# KiCad board k410t-devboard.kicad_pcb (continued)
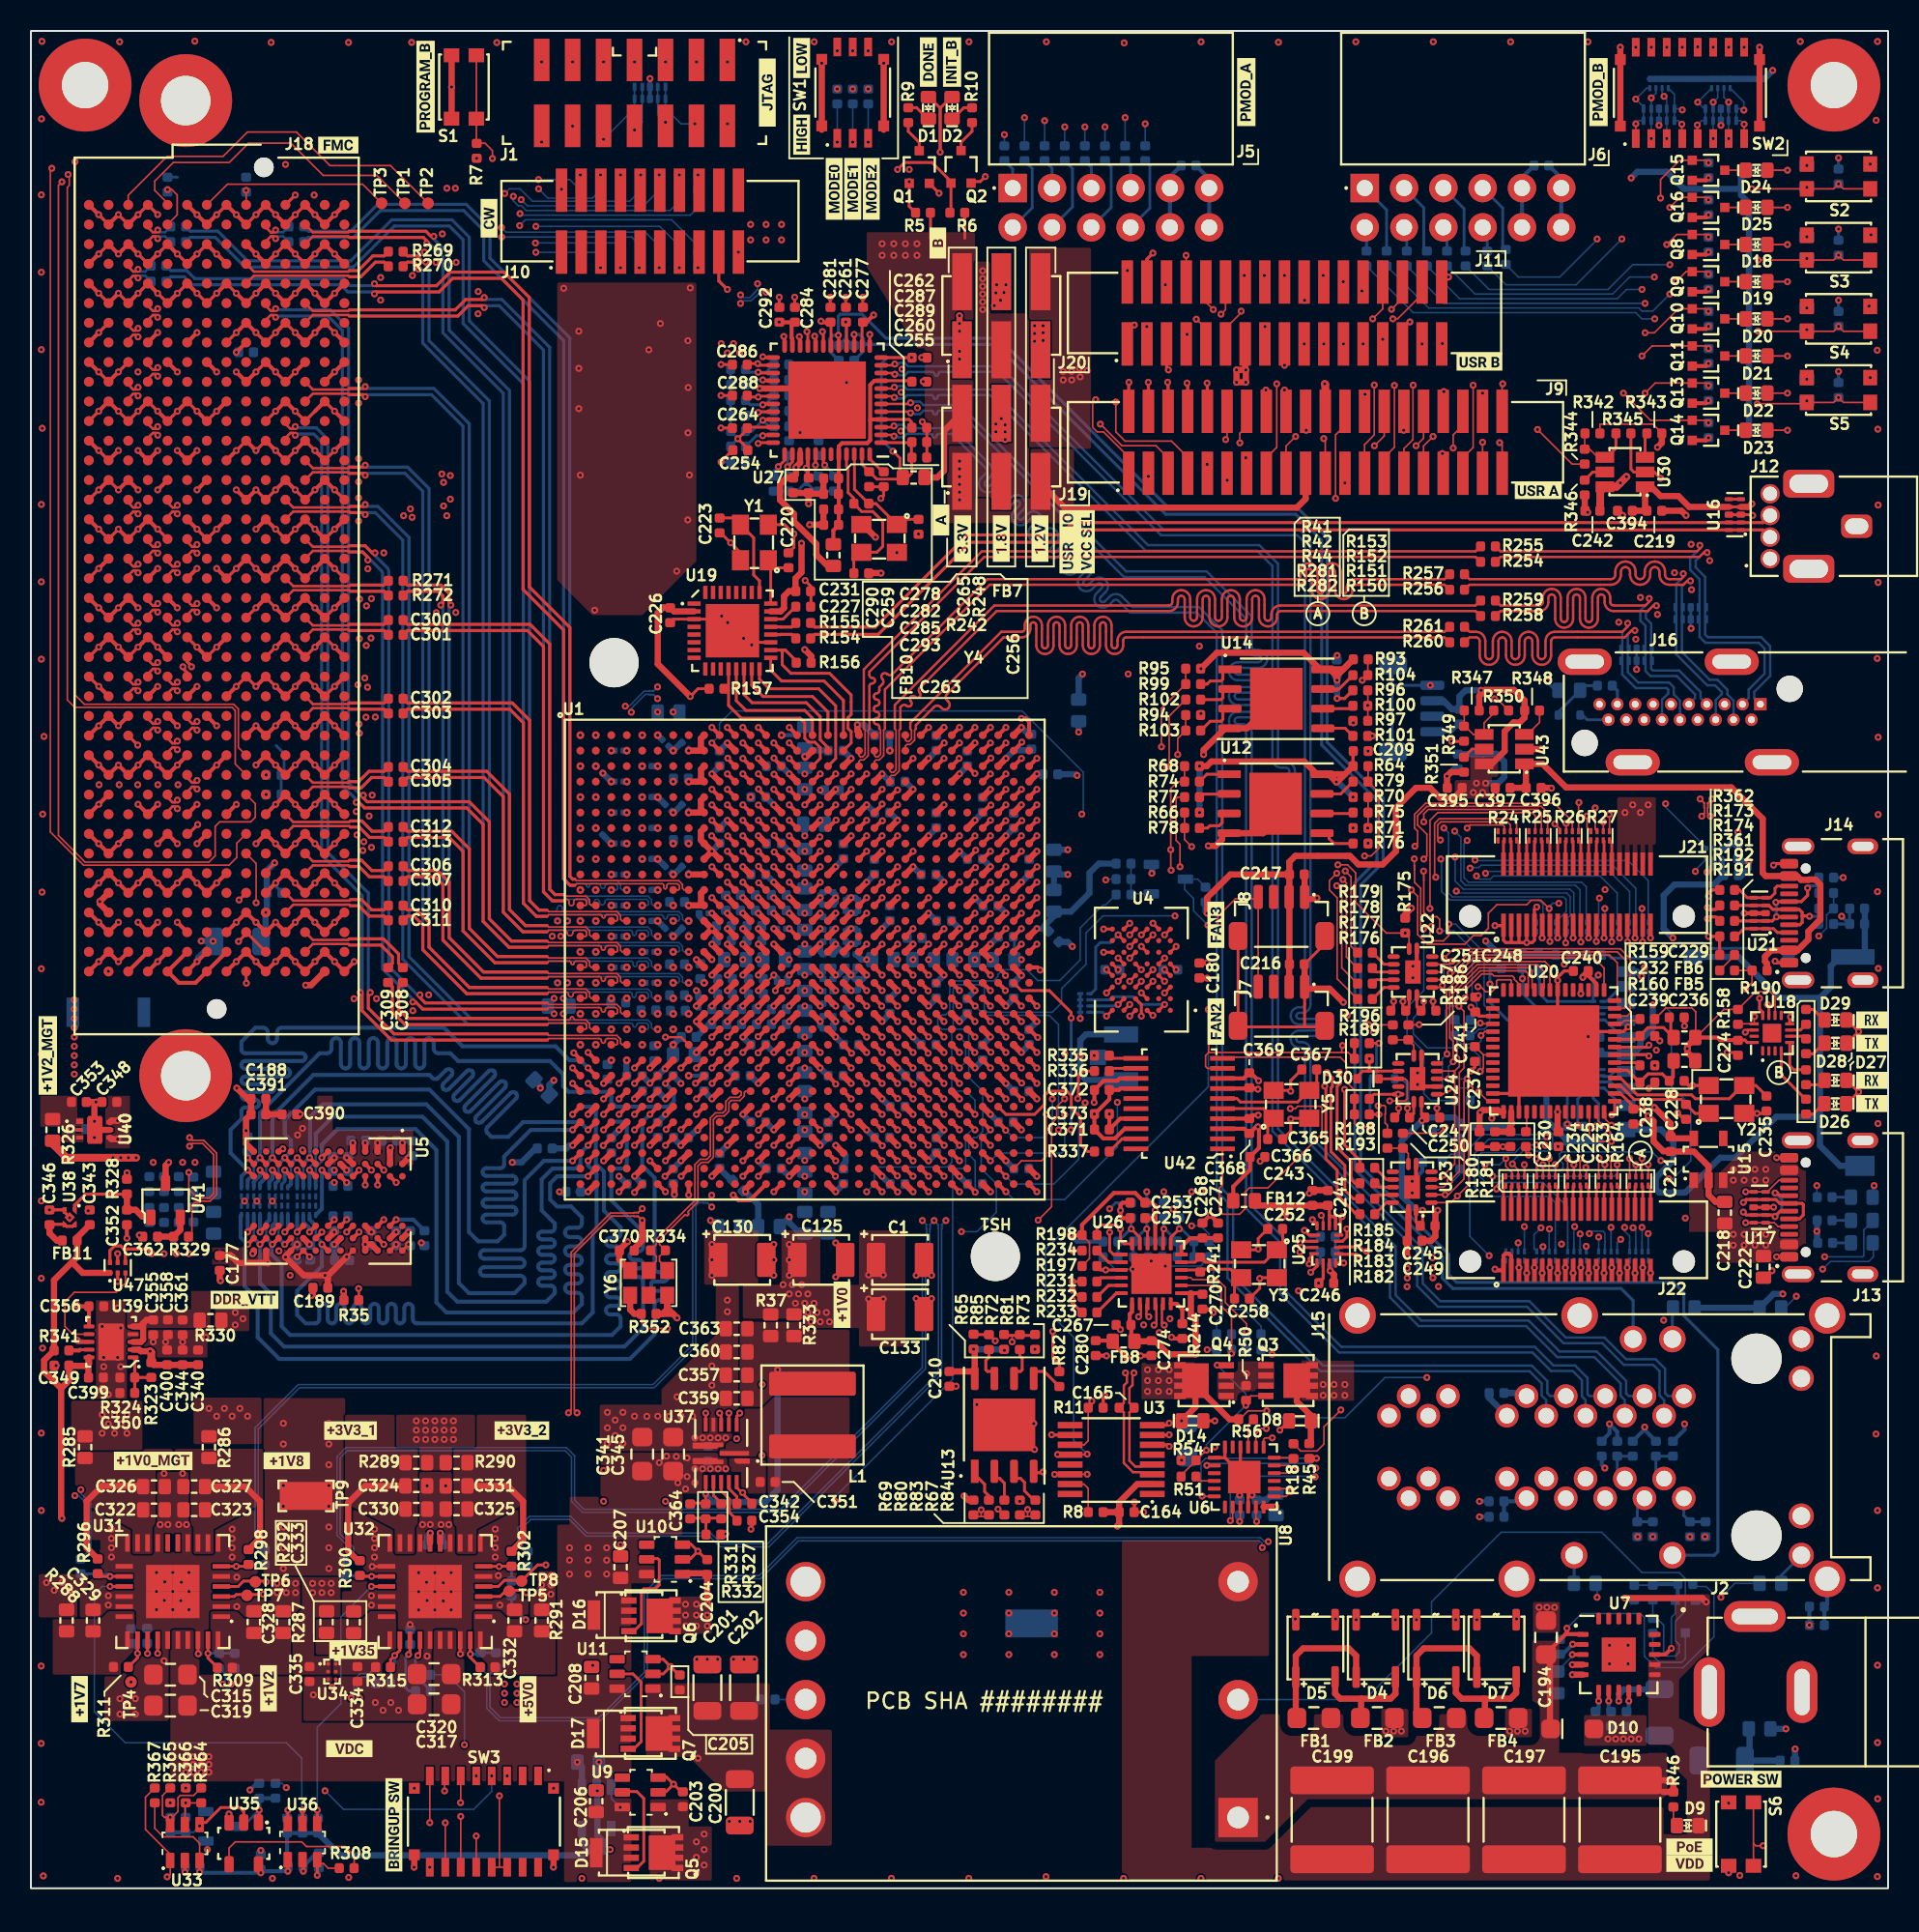
[diagram p0: board, top side]
## Routing (per net, layer and track width the routed paths; a pad name or vN(x,y) marks a point on that pad's centre or on a via; arc(x,y) is an arc through that point) (continued)
/USER_IO.A38: length 63.3
  Top w0.1: 93.79,95.49 93.8,95.49 v1(93.8,96.6)
  Top w0.256: U1.N26 v1(61,63)
  In3.Cu w0.1: v1(93.8,96.6) 92.2,95 71.36,95 69.79,93.43 68.82,93.43 59.4,84.01 59.4,66 59.9,65.5 60.2,65.5 60.5,65.2 60.5,63.5 v1(61,63)
/USER_IO.A39: length 61
  Top w0.1: v1(94.9,93.4) 95.06,93.23 95.06,91.42
  Top w0.256: U1.K26 60.95,65.95 v1(61.03,65.95)
  In3.Cu w0.1: v1(61.03,65.95) 61.03,65.95 60.4,66.58 60.4,84.44 68.98,93.03 69.95,93.03 71.53,94.6 89.2,94.6 90.4,93.4 90.8,93.4 91.2,93.8 94.5,93.8 v1(94.9,93.4)
/USER_IO.A40: length 64.8
  Top w0.1: v1(95.1,97.2) 95.06,97.17 95.06,95.49
  Top w0.256: U1.K21 v1(56,66)
  In3.Cu w0.1: v1(56,66) 55.6,66.4 55.6,72.36 56.12,72.88 56.12,82.71 68.59,95.18 69.8,95.18 70.82,96.2 84.72,96.2 86.02,97.5 94.8,97.5 v1(95.1,97.2)
/USER_IO.B1: length 40.3
  Top w0.182: v1(71.3,101) 70.84,100.54 70.84,99.71
  Top w0.256: U1.D27 v1(62,72)
  In5.Cu w0.1: v1(71.3,101) 71.1,100.8 66.7,100.8 65.95,101.55 64.6,101.55 63.7,100.65 63.7,99.8 64,99.5 64,90.25 63.7,89.95 63.7,75.81 63.62,75.73 63.62,73.86 63.14,73.38 62.84,73.38 62.62,73.16 62.62,72.62 v1(62,72)
/USER_IO.B3: length 36.5
  Top w0.182: 72.11,99.71 72.11,100.89 v1(72.1,100.9)
  Top w0.256: v1(64,75.58) 64.28,75.58 64.5,75.36 U1.A30
  In5.Cu w0.1: v1(64,75.58) 64,89.95 64.25,90.2 64.25,100.9 64.7,101.35 65.85,101.35 66.6,100.6 71.8,100.6 v1(72.1,100.9)
/USER_IO.B5: length 43.6
  Top w0.182: 73.38,99.71 73.38,98.06
  Top w0.256: U1.H25 v1(60,68)
  In5.Cu w0.1: v1(73.5,98.1) 69.35,98.1 66.9,95.65 66.9,69.6 65.7,68.4 60.4,68.4 v1(60,68)
/USER_IO.B6: length 44.8
  Top w0.256: U1.C26 60.97,72.03 v1(61,72.03)
  In5.Cu w0.1: v1(73.3,103.6) 63.6,103.6 63.2,104 62.12,104 61.88,103.75 61.88,101.67 60.7,100.5 60.7,75.23 60.62,75.16 60.62,72.4 v1(61,72.03)
/USER_IO.B7: length 39.3
  Top w0.256: U1.E29 v1(64,71)
  In5.Cu w0.1: v1(74.7,100.4) 74.48,100.18 66.43,100.18 64.8,98.55 64.8,73.82 64.4,73.42 64.4,71.4 v1(64,71)
/USER_IO.B8: length 49.2
  Top w0.1: J11.8 74.65,105.49 v1(74.64,105.5)
  Top w0.256: U1.A23 v1(58,75)
  In5.Cu w0.1: v1(74.64,105.5) 74.01,106.13 60.13,106.13 58.15,104.15 58.15,75.35 58,75.2 v1(58,75)
/USER_IO.B9: length 42.1
  Top w0.1: v1(75.3,101.37) 75.31,101.37 75.92,100.77 J11.9
  Top w0.256: U1.A28 v1(63,75)
  In5.Cu w0.1: v1(75.3,101.37) 75.07,101.6 71,101.6 70.65,101.25 66.9,101.25 66.2,101.95 64.4,101.95 62.9,100.45 62.9,99.75 63.55,99.1 63.55,90.65 63,90.1 v1(63,75)
/USER_IO.B10: length 43.9
  Top w0.1: v1(76.4,102) 75.92,102.48 J11.10
  Top w0.256: U1.A27 v1(62,75)
  In5.Cu w0.1: v1(76.4,102) 76.12,102.28 66.95,102.28 66.68,102.55 64.1,102.55 61.7,100.15 61.7,90.4 62,90.1 v1(62,75)
/USER_IO.B11: length 47.6
  Top w0.1: v1(78.2,101.9) 78.2,101.8 77.19,100.79 77.19,99.71
  Top w0.256: U1.A26 v1(61,75)
  In5.Cu w0.1: v1(78.2,101.9) 77.18,102.92 67.28,102.92 67,103.2 63.8,103.2 61,100.4 v1(61,75)
/USER_IO.B12: length 45.6
  Top w0.1: v1(76.9,101.7) 77.19,101.99 77.19,103.78
  Top w0.256: U1.B27 v1(62,74)
  In5.Cu w0.1: v1(76.9,101.7) 76.8,101.6 76.25,101.6 75.8,102.05 66.85,102.05 66.55,102.35 64.2,102.35 61.95,100.1 61.95,90.5 62.3,90.15 62.3,75.23 62.38,75.16 62.38,74.38 v1(62,74)
/USER_IO.B14: length 51.9
  Top w0.256: U1.C25 59.97,72.97 v1(59.97,73)
  In5.Cu w0.1: v1(59.97,73) 59.57,73.4 59.57,75.33 59.3,75.6 59.3,103.6 61.03,105.33 71.21,105.33 72.06,104.48 78.12,104.48 v1(78.4,104.2)
/USER_IO.B15: length 46.8
  Top w0.1: v1(79.74,100.9) 79.73,100.89 79.73,99.71
  Top w0.256: U1.B28 v1(63,74)
  In5.Cu w0.1: v1(79.74,100.9) 79.54,100.7 75.28,100.7 75.01,100.97 74.43,100.97 74,101.4 71.1,101.4 70.7,101 66.8,101 66.05,101.75 64.5,101.75 63.3,100.55 63.3,99.65 63.75,99.2 63.75,90.5 63.3,90.05 63.3,75.23 63.38,75.16 63.38,74.38 v1(63,74)
/USER_IO.B16: length 52.6
  Top w0.256: U1.B24 59,74 v1(59.01,74)
  In5.Cu w0.1: v1(79.7,104.2) 79.21,104.69 72.15,104.69 71.31,105.53 60.95,105.53 59.05,103.63 59.05,75.48 59.38,75.16 59.38,74.36 v1(59.01,74)
/USER_IO.B17: length 45.6
  Top w0.256: v1(64.03,68.98) 63.98,68.98 U1.G29
  In5.Cu w0.1: v1(81,98.4) 80.9,98.5 69.25,98.5 66.6,95.85 66.6,69.7 65.5,68.6 64.41,68.6 v1(64.03,68.98)
/USER_IO.B18: length 55.4
  Top w0.256: U1.C24 v1(59,73)
  In5.Cu w0.1: v1(81,104.2) 80.3,104.9 72.23,104.9 71.4,105.73 60.73,105.73 58.75,103.75 58.75,75.28 58.62,75.16 58.62,73.38 v1(59,73)
/USER_IO.B19: length 46.8
  Top w0.256: U1.F30 v1(65,70)
  In5.Cu w0.1: v1(65,70) 65.4,70.4 65.4,98.5 66.6,99.7 82.19,99.7 v1(82.27,99.78)
/USER_IO.B21: length 50.5
  Top w0.256: U1.F28 v1(63,70)
  In5.Cu w0.1: v1(83.54,99.78) 83.16,99.4 66.6,99.4 65.7,98.5 65.7,70.1 65.22,69.62 63.38,69.62 v1(63,70)
/USER_IO.B23: length 52
  Top w0.256: U1.G28 62.97,68.97 v1(62.99,68.97)
  In5.Cu w0.1: v1(84.81,99.78) 84.13,99.1 66.6,99.1 66,98.5 66,70 65.4,69.4 63.41,69.4 v1(62.99,68.97)
/USER_IO.B24: length 56.2
  Top w0.256: U1.A25 v1(60,75)
  In5.Cu w0.1: v1(84.8,103.8) 84.6,103.6 77.9,103.6 77.22,104.28 72.8,104.28 72.57,104.05 63.85,104.05 63.47,104.42 62.65,104.42 61.97,105.1 61.12,105.1 59.55,103.53 59.55,75.7 60,75.25 v1(60,75)
/USER_IO.B25: length 51.1
  Top w0.256: U1.G30 v1(65,69)
  In5.Cu w0.1: v1(86.08,99.78) 85.1,98.8 69,98.8 68.8,98.6 67.55,98.6 67.35,98.4 66.5,98.4 66.3,98.2 66.3,69.9 65.4,69 v1(65,69)
/USER_IO.B26: length 57.8
  Top w0.256: U1.B25 v1(60,74)
  In5.Cu w0.1: v1(60,74) 60.38,74.38 60.38,75.33 60.45,75.4 60.45,104.05 61.3,104.9 61.81,104.9 62.49,104.22 63.3,104.22 63.72,103.8 72.65,103.8 72.93,104.08 77.12,104.08 77.8,103.4 85.8,103.4 v1(86,103.2)
/USER_IO.B27: length 52.3
  Top w0.182: 87.35,99.71 v1(87.35,100.08)
  Top w0.256: U1.H30 v1(65,68)
  In5.Cu w0.1: v1(65,68) 65.7,68 67.2,69.5 67.2,95.45 69.43,97.68 85.58,97.68 87.35,99.45 v1(87.35,100.08)
/USER_IO.B28: length 54.3
  Top w0.1: J11.28 87.35,102.05 v1(86.7,101.4)
  Top w0.256: U1.E30 v1(65,71)
  In5.Cu w0.1: v1(65,71) 64.62,71.38 64.62,73.3 65.1,73.77 65.1,98.5 66.58,99.98 74.88,99.98 75.2,100.3 86.14,100.3 86.7,100.86 v1(86.7,101.4)
/USER_IO.B29: length 71
  Top w0.256: U1.H24 v1(59,68)
  In5.Cu w0.1: v1(89.1,101.2) 89.2,101.3 89.2,102.1 86.2,105.1 72.33,105.1 71.5,105.93 60.43,105.93 58.45,103.95 58.45,75.26 58.38,75.19 58.38,68.62 v1(59,68)
/USER_IO.B30: length 58.5
  Top w0.1: v1(87.91,102.01) 88.62,102.72 J11.30
  Top w0.256: v1(62.03,73.02) 62.02,73.02 U1.C27
  In5.Cu w0.1: v1(62.03,73.02) 62.62,73.62 62.62,90.12 63.35,90.85 63.35,98.9 62.62,99.62 62.62,100.47 64.3,102.15 66.3,102.15 66.95,101.5 70.55,101.5 70.9,101.85 75.55,101.85 76.5,100.9 79.1,100.9 79.5,101.3 84.78,101.3 85.68,102.2 87.73,102.2 v1(87.91,102.01)
/USER_IO.B31: length 64
  Top w0.256: U1.F27 61.98,69.98 v1(62.03,69.98)
  In5.Cu w0.1: v1(89.89,99.78) 89.12,99.78 88.5,100.4 88.5,102.1 88.2,102.4 85.6,102.4 84.7,101.5 79.3,101.5 78.9,101.1 78.05,101.1 76.66,102.49 67.06,102.49 66.75,102.8 64.05,102.8 61.5,100.25 61.5,90.3 61.7,90.1 61.7,75.23 61.62,75.16 61.62,70.39 v1(62.03,69.98)
/USER_IO.B32: length 56.9
  Top w0.1: 89.89,103.78 89.89,102.98 88.31,101.4 v1(88,101.4)
  Top w0.256: U1.D28 v1(63,72)
  In5.Cu w0.1: v1(88,101.4) 87.4,102 85.77,102 84.87,101.1 80.47,101.1 79.87,100.5 75.2,100.5 74.93,100.78 74.47,100.78 74.08,100.38 66.33,100.38 64.5,98.55 64.5,73.87 64.15,73.52 63.75,73.52 63.5,73.27 63.5,72.5 v1(63,72)
/USER_IO.B33: length 66.7
  Top w0.256: U1.G27 v1(62,69)
  In5.Cu w0.1: v1(91.2,99.8) 90.6,100.4 88.9,100.4 88.7,100.6 88.7,102.2 88.3,102.6 85.5,102.6 84.6,101.7 79.1,101.7 78.7,101.3 78.18,101.3 76.78,102.7 67.18,102.7 66.88,103 63.93,103 61.3,100.38 61.3,75.23 61.38,75.16 61.38,69.62 v1(62,69)
/USER_IO.BUTTON0: length 136.7
  Top w0.1: 118.85,109.8 117.12,109.8 v1(116.8,110.11) 116.49,109.8 S2.2 v1(111.2,109.8)
  Top w0.256: U1.AA11 v1(45,54)
  In3.Cu w0.1: v1(45,54) 44.4,54.6 44.4,56.26 44.74,56.6 47.18,56.6 47.4,56.82 47.4,79.32 48.73,80.65 48.73,84.71 58.43,94.41 58.43,106.39 57.79,107.03 57.79,113.54 60.85,116.6 109.8,116.6 111.4,115 111.4,110 v1(111.2,109.8)
  vias: v1(114.75,109.9)
/USER_IO.BUTTON1: length 141.9
  Top w0.1: v1(111.6,105.2) S3.2 116.49,105.2 v1(116.8,105.52) 117.12,105.2 118.85,105.2
  Top w0.256: U1.AA10 v1(44,54)
  In3.Cu w0.1: v1(111.6,105.2) 111.8,105.4 111.8,115.2 110,117 60.68,117 57.39,113.71 57.39,106.86 58.03,106.23 58.03,94.58 45.42,81.97 45.42,57.84 45.18,57.6 43.74,57.6 43.4,57.26 43.4,54.6 v1(44,54)
  vias: v1(114.75,105.3)
/USER_IO.BUTTON2: length 145.2
  Top w0.1: v1(111.6,100.6) S4.2 116.49,100.6 v1(116.8,100.92) 117.12,100.6 118.85,100.6
  Top w0.256: U1.Y10 v1(44,55)
  In3.Cu w0.1: v1(44,55) 43.6,55.4 43.6,57.18 43.82,57.4 45.26,57.4 45.62,57.76 45.62,81.89 58.22,94.49 58.22,106.31 57.59,106.95 57.59,113.62 60.77,116.8 109.9,116.8 111.6,115.1 111.6,105.8 111.2,105.4 111.2,105 111.8,104.4 111.8,100.8 v1(111.6,100.6)
  vias: v1(114.75,100.7)
/USER_IO.BUTTON3: length 149.3
  Top w0.1: v1(111.54,95.9) 111.56,95.92 114.67,95.92 S5.2 116.49,96 v1(116.8,96.31) 117.12,96 118.85,96
  Top w0.256: U1.Y11 v1(45,55)
  In3.Cu w0.1: v1(45,55) 44.6,55.4 44.6,56.18 44.82,56.4 47.26,56.4 47.6,56.74 47.6,79.01 49.04,80.45 49.04,84.74 58.65,94.35 58.65,101.91 59.45,102.71 59.45,114.92 60.93,116.4 109.7,116.4 111.2,114.9 111.2,110.4 110.8,110 110.8,109.6 111.4,109 111.4,105.88 111,105.48 111,104.9 111.6,104.3 111.6,101.2 111.2,100.8 111.2,100.4 111.8,99.8 111.8,96.16 v1(111.54,95.9)
  vias: v1(114.75,96.1)
/USER_IO.DIP_SW0: length 117.2
  Top w0.1: v1(103.7,114) 103.7,113.05
  Top w0.256: v1(46.98,55.03) 47.03,55.03 U1.Y13
  In3.Cu w0.1: v1(46.98,55.03) 47.41,54.6 50.18,54.6 50.4,54.82 50.4,85.17 54.45,89.22 55.22,89.22 56.82,90.83 56.82,91.68 59.25,94.1 59.25,101.66 60.05,102.46 60.05,114.67 61.18,115.8 103.5,115.8 v1(103.7,115.6)
  Bottom w0.1: 104.6,116.3 104.4,116.3 v1(103.7,115.6) 104.2,115.1 U45.1 U45.10 103.91,114.2 v1(103.7,114)
/USER_IO.DIP_SW1: length 122.9
  Top w0.256: U1.AB8 v1(42,53)
  In3.Cu w0.1: v1(104.7,115.67) 104.38,116 61.1,116 59.85,114.75 59.85,102.55 59.05,101.75 59.05,94.19 56.62,91.76 56.62,90.95 55.1,89.42 54.3,89.42 49.61,84.74 49.6,84.74 49.6,55.74 49.26,55.4 45.82,55.4 45.6,55.18 45.6,53.75 45.25,53.4 42.4,53.4 v1(42,53)
  Bottom w0.1: v1(104.7,113.05) U45.9 v1(104.7,115.67) 105,115.97 105,116.3
/USER_IO.DIP_SW2: length 125.9
  Top w0.15: v1(41,54.99) 42.01,54.99 U1.AA8
  In3.Cu w0.1: v1(41,54.99) 41.54,54.99 42.61,53.92 42.61,53.6 45.15,53.6 45.4,53.85 45.4,55.26 45.74,55.6 49.18,55.6 49.4,55.82 49.4,84.82 58.85,94.27 58.85,101.83 59.65,102.63 59.65,114.84 61.01,116.2 105.1,116.2 v1(105.53,115.78)
  Bottom w0.1: v1(105.7,113.05) 105.7,115.6 v1(105.53,115.78) 105.4,115.9 105.4,116.3
/USER_IO.DIP_SW3: length 126.3
  Top w0.1: 106.7,113.05 106.68,113.08 v1(106.68,113.97)
  Top w0.256: v1(42.94,52.01) 43.01,52.01 U1.AC9
  In3.Cu w0.1: v1(42.94,52.01) 43.33,52.4 51.26,52.4 52.6,53.74 52.6,85.55 53.72,86.67 54.75,86.67 59.15,91.08 59.15,92.58 61.1,94.53 61.1,114.3 61.6,114.8 102.7,114.8 103.1,114.4 106.2,114.4 v1(106.7,114.9)
  Bottom w0.1: 106.2,114.97 106.2,114.2 106.44,114.2 v1(106.68,113.97) ; 106.2,114.97 106.62,114.97 v1(106.7,114.9) ; 106.2,114.97 106.2,115.9 105.8,116.3
/USER_IO.DIP_SW4: length 122.7
  Top w0.1: v1(107.68,113.92) 107.68,113.08 107.7,113.05
  Top w0.256: v1(46.99,53.98) 46.99,53.99 U1.AA13
  In3.Cu w0.1: v1(46.99,53.98) 47.36,53.6 51.18,53.6 51.4,53.82 51.4,85.53 54.7,88.83 55.43,88.83 57.25,90.65 57.25,91.54 60.45,94.74 60.45,114.5 61.35,115.4 103,115.4 103.4,115 105.58,115 106.28,115.7 107.4,115.7 v1(107.7,115.4)
  Bottom w0.1: 108.6,116.3 108.6,116.3 v1(107.7,115.4) 108.12,114.97 U46.1 U46.10 107.95,114.2 v1(107.68,113.92)
/USER_IO.DIP_SW5: length 123
  Top w0.256: U1.AB13 v1(47,53)
  In3.Cu w0.1: v1(108.7,115.4) 108.32,115.03 107.48,115.03 107,115.5 106.42,115.5 105.72,114.8 103.3,114.8 102.9,115.2 61.43,115.2 60.65,114.42 60.65,94.65 57.45,91.45 57.45,90.55 55.53,88.62 54.8,88.62 51.6,85.42 51.6,53.74 51.26,53.4 47.4,53.4 v1(47,53)
  Bottom w0.1: 109,116.3 109,115.69 v1(108.7,115.4) 108.69,115.39 U46.2 U46.9 108.69,113.06 v1(108.7,113.05)
/USER_IO.DIP_SW6: length 128.6
  Top w0.256: U1.AB9 v1(43,53)
  In3.Cu w0.1: v1(43,53) 43.4,52.6 51.18,52.6 52.4,53.82 52.4,85.92 54.88,88.4 55.6,88.4 57.65,90.45 57.65,91.37 60.9,94.62 60.9,114.39 61.51,115 102.8,115 103.2,114.6 105.8,114.6 106.5,115.3 106.92,115.3 107.39,114.83 109.12,114.83 v1(109.7,115.4)
  Bottom w0.1: 109.39,116.3 109.39,115.7 v1(109.7,115.4) 109.69,115.39 109.69,114.2 109.7,114.2 v1(109.7,113.05)
/USER_IO.DIP_SW7: length 126.3
  Top w0.1: v1(110.7,113.97) 110.7,113.05
  Top w0.256: U1.AA12 v1(46,54)
  In3.Cu w0.1: v1(110.69,114.89) 110.69,115.05 109.84,115.9 106.2,115.9 105.5,115.2 103.5,115.2 103.1,115.6 61.26,115.6 60.25,114.59 60.25,102.38 59.45,101.58 59.45,94.02 57.03,91.6 57.03,90.72 55.32,89.03 54.55,89.03 50.6,85.08 50.6,54.74 50.26,54.4 46.4,54.4 v1(46,54)
  Bottom w0.1: v1(110.7,113.97) 110.47,114.2 110.19,114.2 110.19,114.97 110.6,114.97 v1(110.69,114.89) 110.69,115.41 109.8,116.3
/USER_IO.LED_BLUE: length 92.8
  Top w0.1: v1(108.4,109.08) 108.24,109.25 106.55,109.25 v1(105.9,108.6)
  Top w0.256: U1.AB28 v1(63,53)
  In3.Cu w0.1: v1(105.9,108.6) 106.1,108.4 106.1,105.9 104.5,104.3 104.5,102.9 105.3,102.1 105.3,95.1 103.8,93.6 103.5,93.6 94.5,84.6 83.7,84.6 81.3,82.2 81.3,57.22 76.88,52.8 72,52.8 71.8,52.6 63.4,52.6 v1(63,53)
/USER_IO.LED_GREEN0: length 85.8
  Top w0.1: v1(105.7,106.2) 106.35,106.85 108.24,106.85 v1(108.4,106.69)
  Top w0.256: U1.Y30 65.03,54.97 v1(65.06,54.97)
  In3.Cu w0.1: v1(65.06,54.97) 65.74,54.97 65.96,54.75 70.3,54.75 70.5,54.55 76.65,54.55 79.2,57.1 79.2,82.9 83,86.7 93.6,86.7 102.7,95.8 103.2,95.8 103.5,96.1 103.5,103.6 105.7,105.8 v1(105.7,106.2)
/USER_IO.LED_GREEN1: length 94.1
  Top w0.1: v1(106.3,103.8) 106.95,104.45 108.24,104.45 v1(108.4,104.28)
  Top w0.256: U1.AH27 v1(62,47)
  In3.Cu w0.1: v1(66.8,49.99) 67.21,50.4 67.21,51.17 67.44,51.4 72.3,51.4 72.5,51.6 77.5,51.6 83.1,57.2 83.1,63.28 83.5,63.67 83.5,64.12 83.03,64.6 83.03,81.53 84.3,82.8 96.4,82.8 106.5,92.9 106.5,103.6 v1(106.3,103.8)
  Bottom w0.1: v1(62,47) 62.5,47.5 66.6,47.5 66.8,47.7 v1(66.8,49.99)
/USER_IO.LED_GREEN2: length 84
  Top w0.1: v1(108.4,101.89) 108.24,102.05 106.45,102.05 104.9,100.5 v1(104.3,100.5)
  Top w0.256: U1.AA28 v1(63,54)
  In3.Cu w0.1: v1(104.3,100.5) 104.5,100.3 104.5,97.4 103.9,96.8 103.9,95.7 103.3,95.1 102.9,95.1 93.9,86.1 83.2,86.1 79.8,82.7 79.8,57.13 76.82,54.15 70.34,54.15 70.14,54.35 65.8,54.35 65.77,54.38 63.38,54.38 v1(63,54)
/USER_IO.LED_GREEN3: length 84.1
  Top w0.1: v1(108.4,99.48) 108.24,99.65 104.75,99.65 v1(104.1,99)
  Top w0.256: v1(60.99,54) 60.99,54.01 U1.AA26
  In3.Cu w0.1: v1(60.99,54) 61.56,54.57 65.86,54.57 65.88,54.55 70.22,54.55 70.42,54.35 76.73,54.35 79.5,57.12 79.5,82.8 83.1,86.4 93.8,86.4 102.9,95.5 103.3,95.5 103.7,95.9 103.7,96.9 104.3,97.5 104.3,98.8 v1(104.1,99)
/USER_IO.LED_GREEN4: length 78.2
  Top w0.1: v1(108.4,97.08) 108.24,97.25 104.95,97.25 v1(104.3,96.6)
  Top w0.256: U1.AA30 v1(65,54)
  In3.Cu w0.1: v1(104.3,96.6) 104.5,96.4 104.5,95.9 103.4,94.8 103,94.8 94,85.8 83.3,85.8 80.1,82.6 80.1,57.15 76.55,53.6 71.67,53.6 71.47,53.4 66.47,53.4 66.04,53.82 65.18,53.82 v1(65,54)
/USER_IO.LED_GREEN5: length 81.9
  Top w0.1: v1(108.4,94.69) 108.24,94.85 104.65,94.85 v1(102.9,96.6)
  Top w0.256: U1.Y26 v1(61,55)
  In3.Cu w0.1: v1(102.9,96.6) 102.6,96.6 93.3,87.3 82.8,87.3 78.6,83.1 78.6,57.12 76.43,54.95 70.67,54.95 70.47,55.15 66.13,55.15 65.7,55.57 61.57,55.57 v1(61,55)
/USER_IO.LED_RED: length 92.4
  Top w0.1: v1(105.3,109.2) 105.3,110.4 106.55,111.65 108.24,111.65 v1(108.4,111.48)
  Top w0.256: U1.Y28 v1(63,55)
  In3.Cu w0.1: v1(63,55) 63.38,55.38 65.62,55.38 66.05,54.95 70.39,54.95 70.59,54.75 76.55,54.75 78.9,57.1 78.9,83 82.9,87 93.4,87 102.5,96.1 103.1,96.1 103.3,96.3 103.3,103.7 105.3,105.7 v1(105.3,109.2)
FMC.SCL_3V3: length 0
  Top w0.1: 15.18,71.93 v1(15.2,71.93)
FMC.SDA_3V3: length 0
  Top w0.1: 15.18,70.66 v1(15.2,70.66)
FTDI_DIS: length 216.6
  Top w0.1: v1(25.77,4.24) 25.77,7.26 ; v1(84.45,66.12) 85.07,66.12 85.6,65.6 85.6,63.7 87.59,61.72 v1(88.8,61.72) 89.05,61.47 89.05,60.7 ; v1(33,112.82) 33,113.87
  In3.Cu w0.1: v1(88.8,61.72) 85.9,58.81 85.9,55.44 86.03,55.31 v1(86.76,55.31)
  In5.Cu w0.1: v1(25.77,4.24) 26.21,3.8 29.35,3.8 32.29,6.74 32.29,13.97 39.32,21 46.02,21 48.23,23.21 66.19,23.21 69.53,26.54 76.59,26.54 77.55,27.5 80.24,27.5 81.62,28.88 81.62,36.4 84.82,39.6 88.19,39.6 v1(88.92,38.87)
  In7.Cu w0.1: v1(86.76,55.31) 85.78,54.33 85.78,46.43 87.02,45.19 87.02,40.77 v1(88.92,38.87) ; v1(33,112.82) 33.82,112 46.47,112 49.75,108.72 49.75,105.35 51.3,103.8 54.65,103.8 58.7,99.75 58.7,97.58 60.7,95.57 60.7,87.72 66.9,81.52 83.1,81.52 87.2,77.42 87.2,66.7 86.5,66 85.33,66 85.2,66.12 v1(84.45,66.12)
VDC: length 3.3
  Bottom w0.1: 37.5,6.55 37.5,5.8 v1(38.07,5.23)
  Bottom w0.4: v1(35.3,8.15) 35.6,7.85 35.6,6.55
  vias: v1(2.8,57.4) v1(2.8,56.8) v1(2.8,56.2) v1(2.8,55.6) v1(2.8,55) v1(2.8,54.4) v1(2.8,53.8) v1(2.8,53.2) v1(2.8,52.6) v1(10,8.5) v1(10,8) v1(10,7.5) v1(10.5,8.5) v1(10.5,8) v1(10.5,7.5) v1(11,8.5) v1(11,8) v1(11,7.5) v1(11.5,8.5) v1(11.5,8) v1(11.5,7.5) v1(34.8,22) v1(34.8,21.2) v1(34.8,20.3) v1(36,22) v1(36,21.2) v1(36,20.3) v1(37.2,22) v1(37.2,21.2) v1(37.2,20.3) v1(40.6,27.5) v1(41.07,27.92) v1(41.7,27.9) v1(41.8,26.2) v1(42.3,25.8) v1(42.4,27.8) v1(42.4,26.6) v1(42.9,27.1) v1(42.9,26.2) v1(43.4,27.1) v1(43.9,27.1) v1(44.4,27.1) v1(44.9,27.1)
VREFN: length 66
  Top w0.1: NT2.2 11,44.6 11.51,44.6 11.8,44.89 11.8,47.41 11.08,48.12 10.43,48.12 v1(10.25,47.95)
  In5.Cu w0.1: v1(10.25,47.95) 10.07,48.12 8.36,48.12 6.07,50.41 6.07,54.89 9.31,58.12 13.09,58.12 14.34,56.88 22.39,56.88 23.02,56.25 32.23,56.25 33.08,57.1 41.79,57.1 42.12,56.77 42.12,55.07 42.29,54.9 42.88,54.9 43.4,55.42 43.4,57.29 43.68,57.57 47.21,57.57 47.4,57.77 47.4,58.22 47.78,58.6 48.28,58.6 48.4,58.72 48.4,58.88 48.28,59 v1(48,59)
  Bottom w0.4: v1(48,59) 48.23,58.77 C266.1
VREFP: length 66.9
  Top w0.1: v1(10.25,48.5) 10.43,48.32 11.17,48.32 12,47.49 12,44.81 11.59,44.4 11,44.4 NT1.2
  Top w0.256: U1.T15 v1(49,59)
  In5.Cu w0.1: v1(49,59) 48.75,59 48.6,58.85 48.6,58.63 48.37,58.4 47.87,58.4 47.6,58.13 47.6,57.68 47.29,57.38 43.77,57.38 43.6,57.21 43.6,55.33 42.97,54.7 42.21,54.7 41.93,54.98 41.93,56.68 41.71,56.9 33.17,56.9 32.32,56.05 22.93,56.05 22.31,56.68 14.26,56.68 13.01,57.93 9.39,57.93 6.28,54.81 6.28,50.49 8.44,48.32 10.07,48.32 v1(10.25,48.5)
  Bottom w0.4: C266.2 48.87,58.87 v1(49,59)
Net-(C198-Pad2):
  vias: v1(74.35,27.66)
Net-(C364-Pad1): length 3
  Top w0.177: 43.62,22.9 43.62,23.9 43.6,23.91 ; 43.6,23.91 42.6,23.91 ; 43.6,23.91 44.6,23.91
Net-(C366-Pad2): length 13.5
  Top w0.256: v1(79.28,51.63) 79.23,51.68 77,51.68 ; 77,49.07 78.41,49.07 78.72,48.76 79.16,49.2 v1(79.28,49.2) 79.35,49.13 79.35,47.84 78.76,47.25 78.76,46.41 77.69,45.34 77.69,44.16
  In2.Cu w0.256: v1(79.28,51.63) 79.82,51.08 79.82,49.78 79.28,49.23 v1(79.28,49.2)
Net-(D1-C): length 1.6
  Top w0.182: 57.99,114.28 57.22,115.05 56.69,115.05
Net-(D2-C): length 1.6
  Top w0.182: 59.52,114.28 60.28,115.05 60.81,115.05